# Altium PCB 10515.0462_全联供主板(2拼版)_V1.0.PcbDoc (part 1 of 18)
Units mm, origin at the board's own origin, x right, y up, seen from the top; angles counter-clockwise.
Board outline 282 x 198 mm, 2 copper layers (Top Layer, Bottom Layer); 716 components, 0 nets, 2364 pads, 1800 vias.
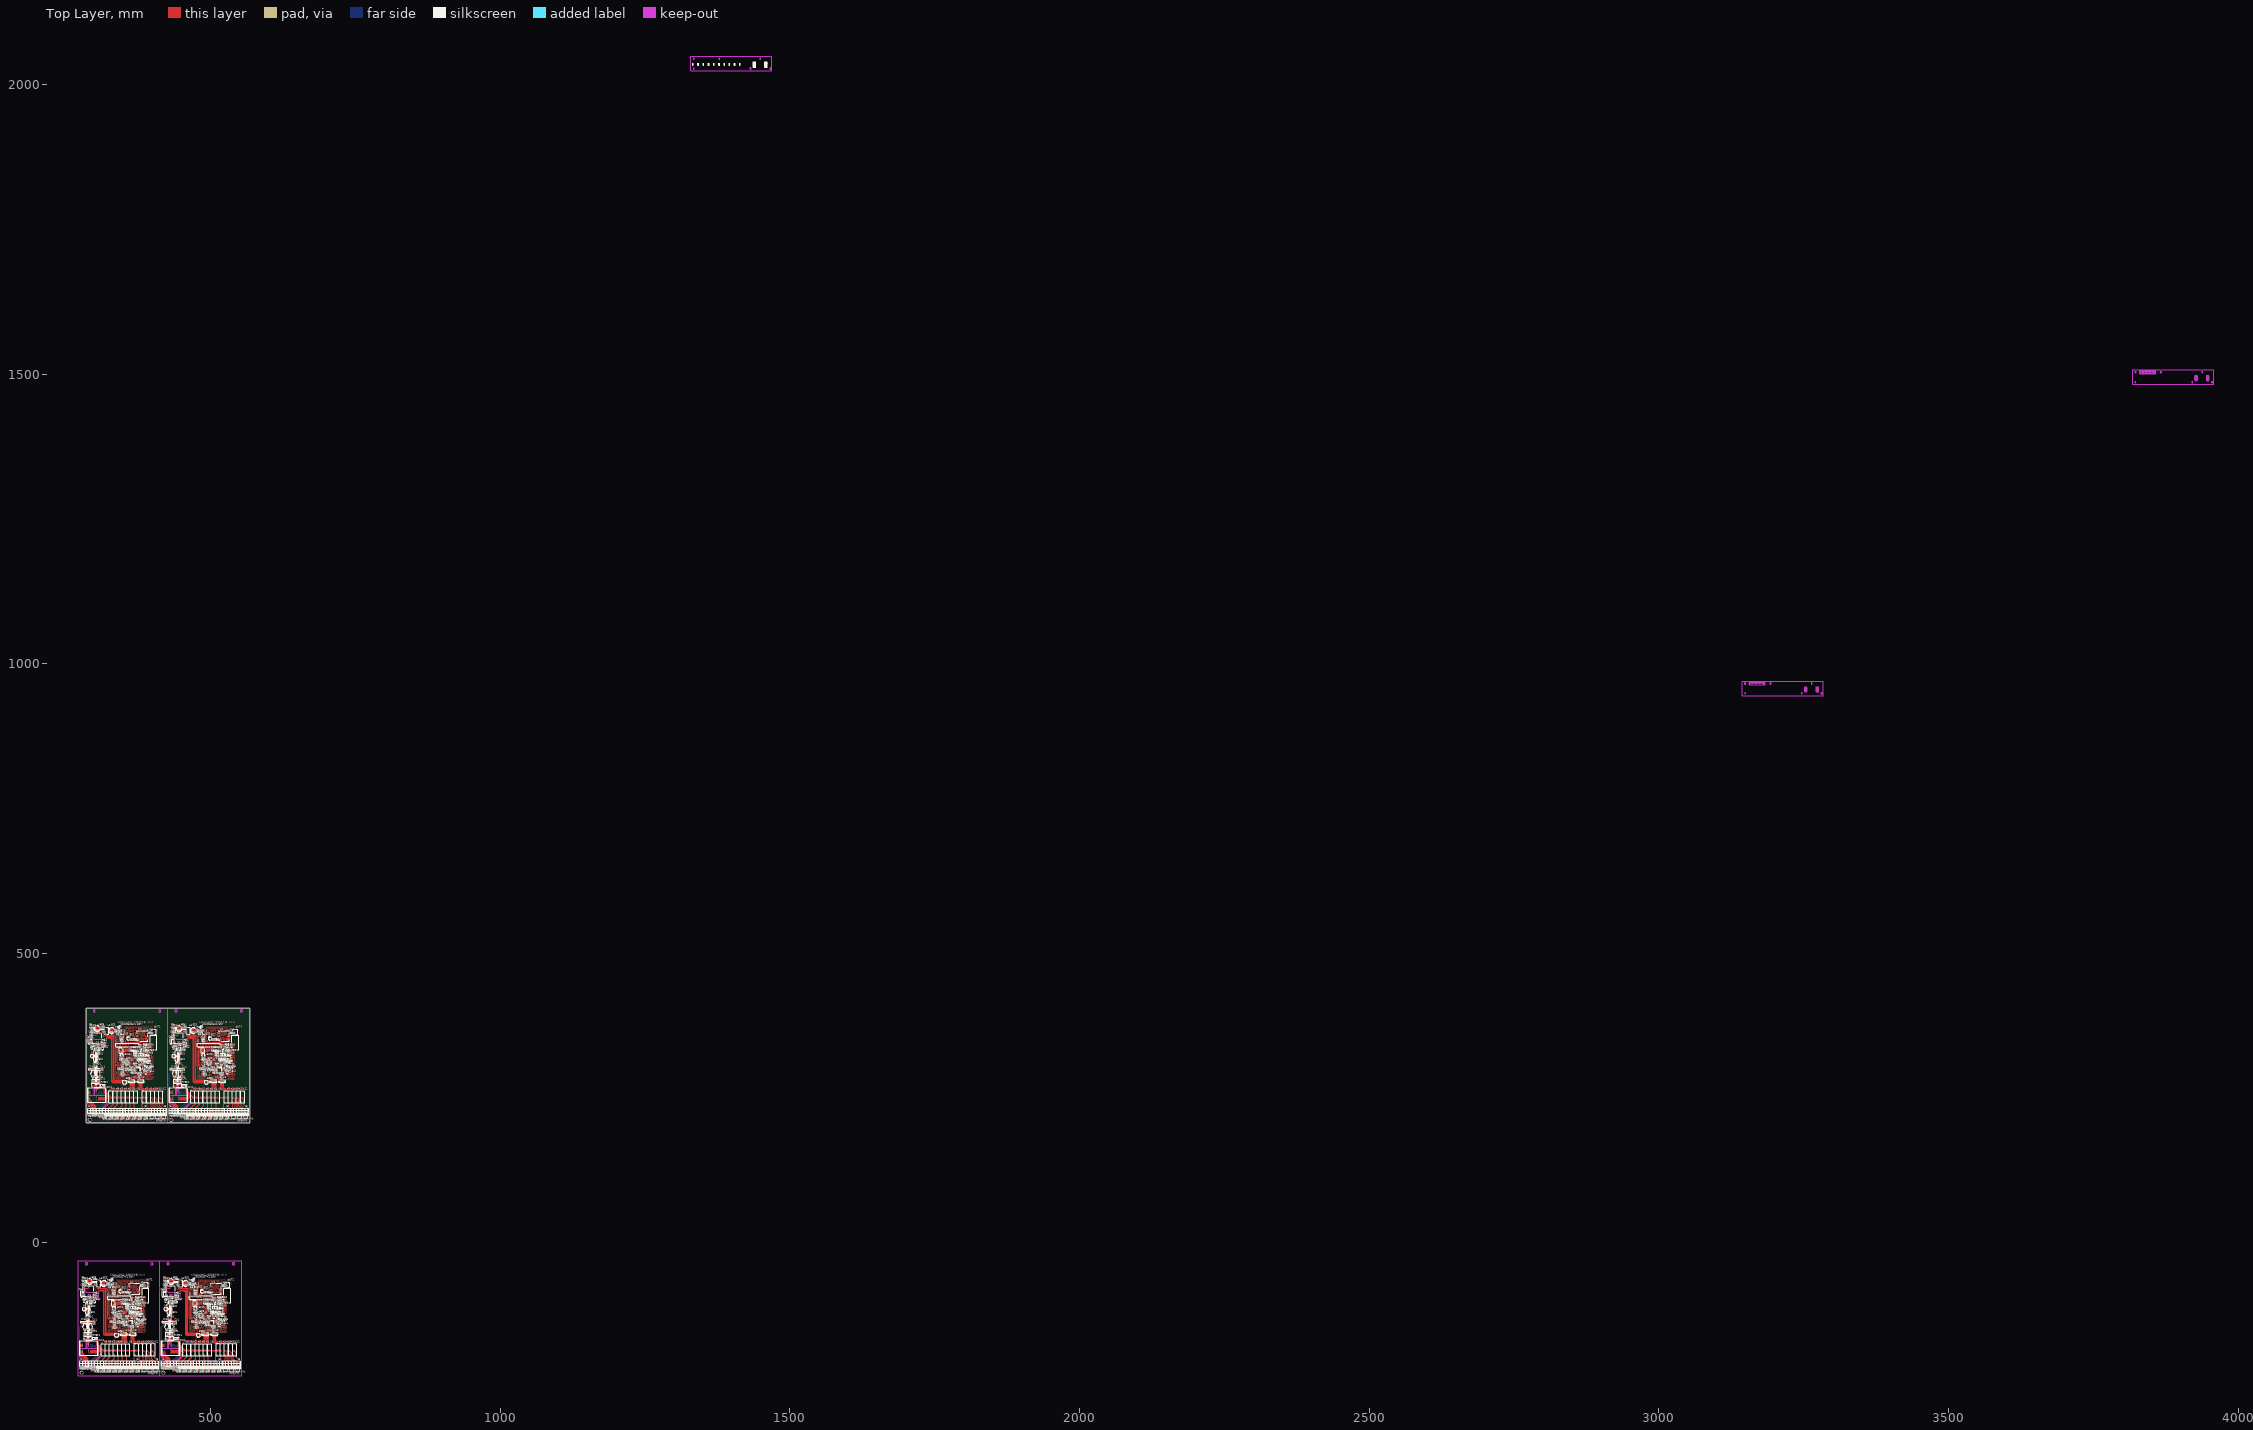
[diagram p0: Top Layer view]
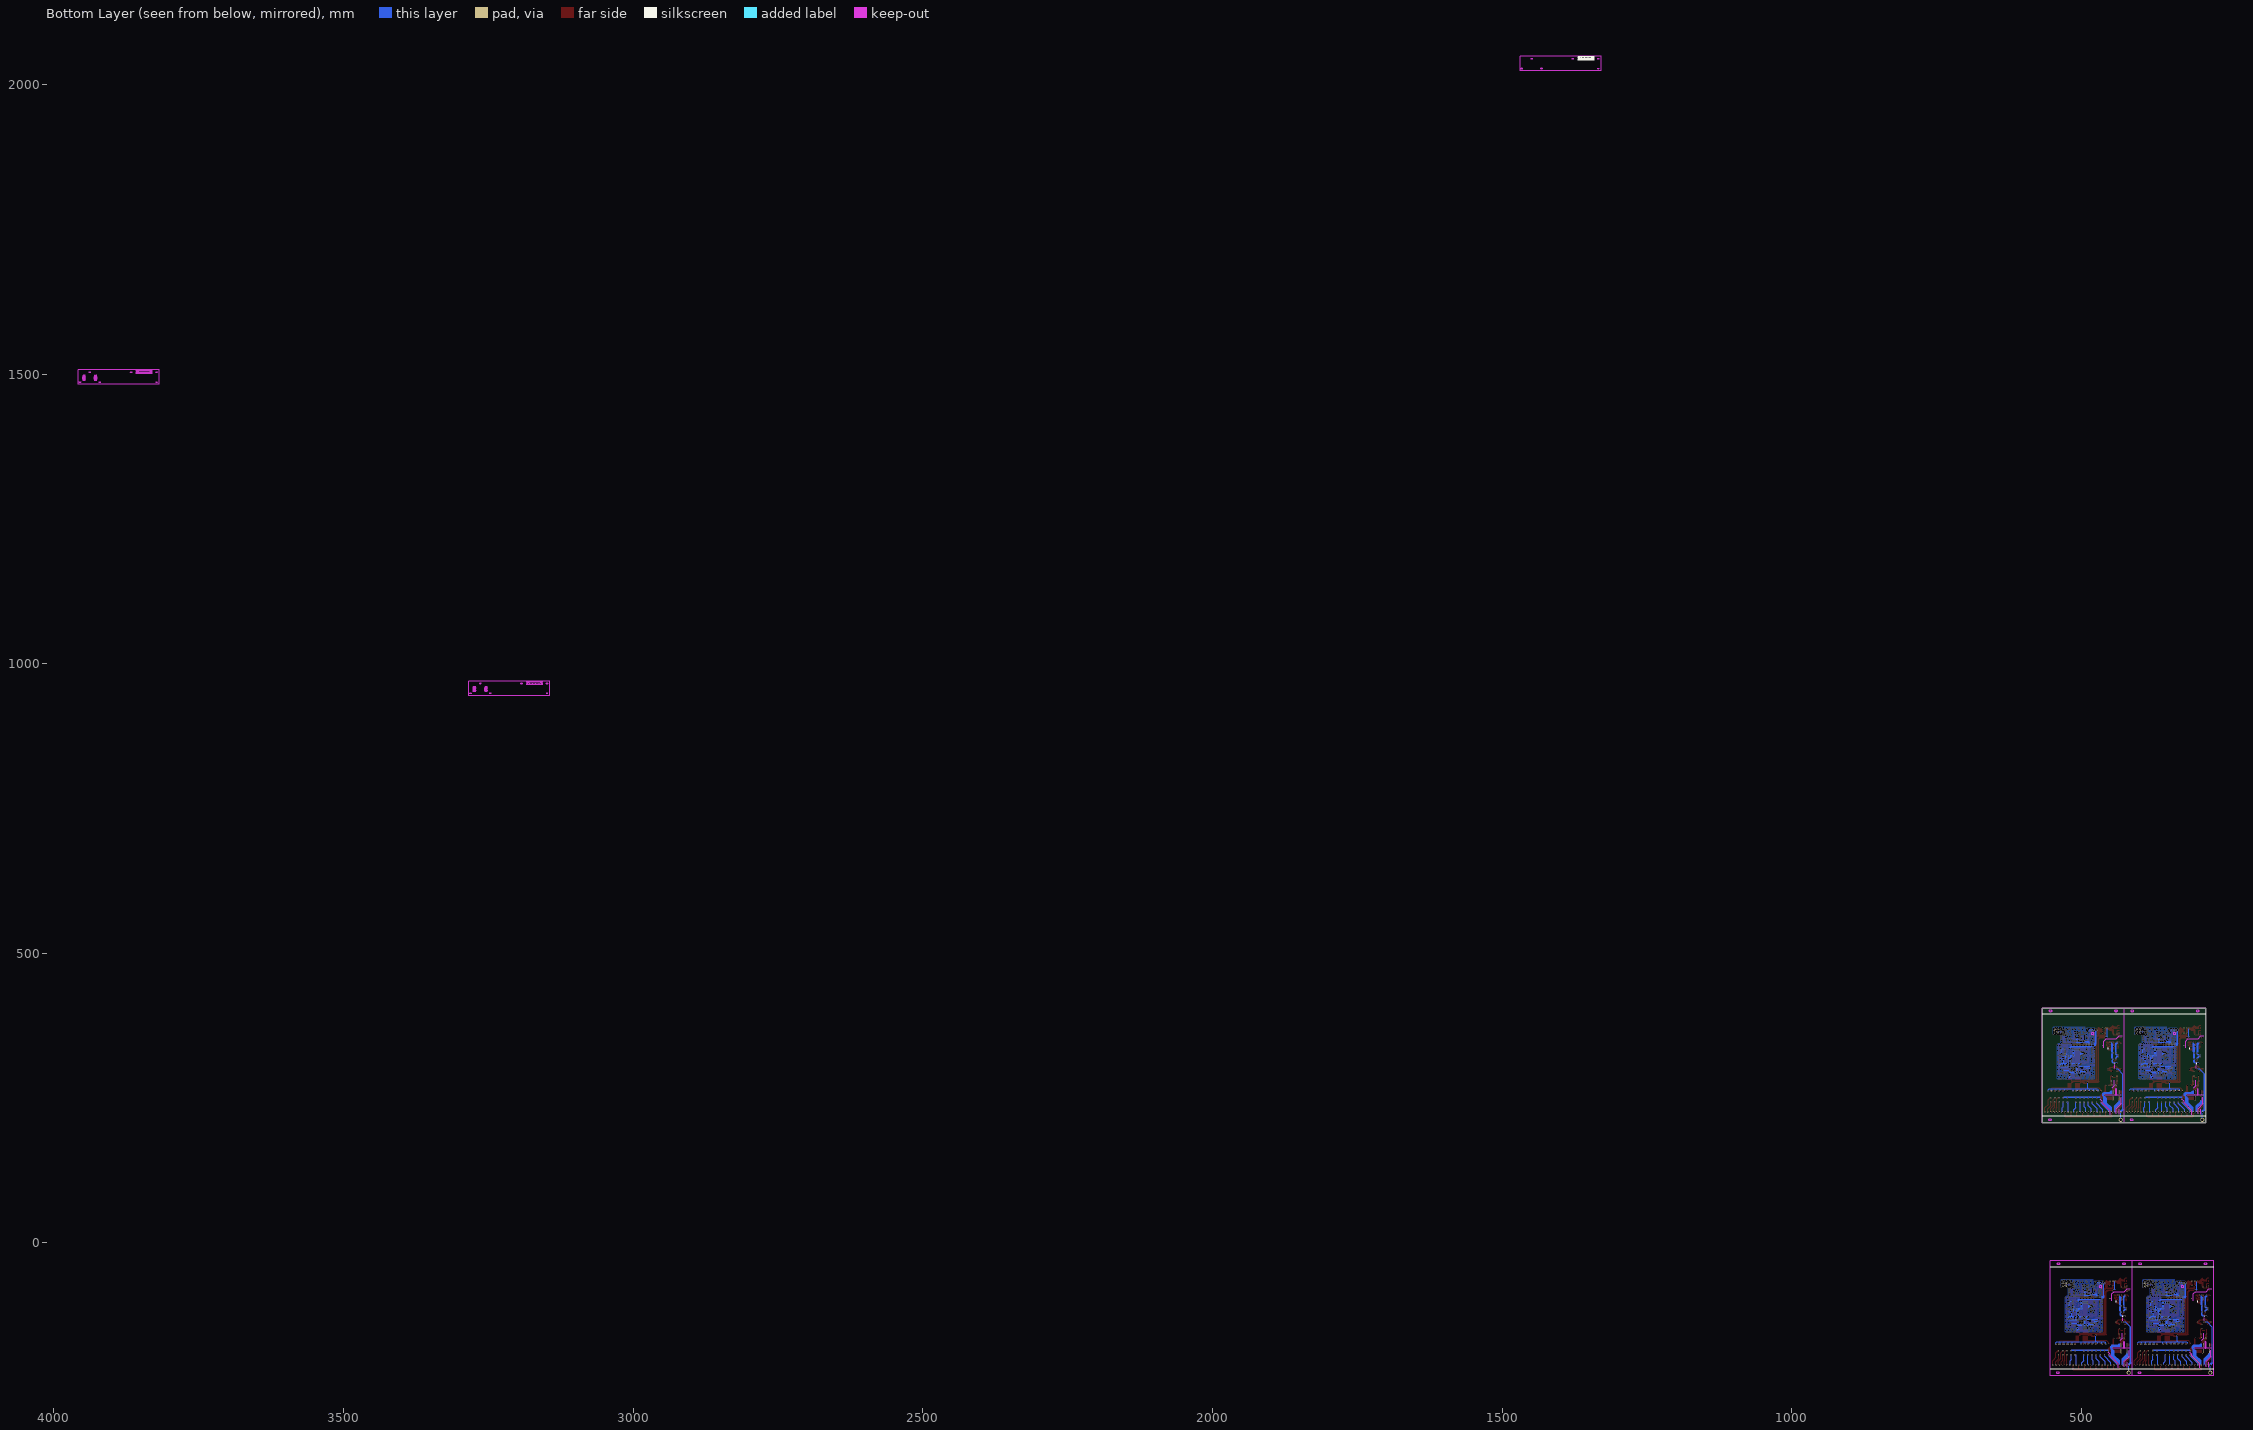
[diagram p1: Bottom Layer view, seen from below]

## Layer stack, top to bottom
Top Layer: signal copper 0.0356
Dielectric: dielectric 0.32, FR-4, Dk 4.8
Bottom Layer: signal copper 0.0356

## Board outline
285.008,405.708 567.008,405.708 567.008,207.708 285.008,207.708 285.008,405.708

## Design rules (kind name [scope] priority, off if disabled: settings)
Clearance [All] p1: gap=0.254
PolygonConnect [All] p1: connectstyle=Relief reliefconductorwidth=0.254 reliefentries=4 polygonreliefangle="90 Angle"
RoutingVias [All] p1: holewidth=0.711 width=1.27 viastyle="Through Hole" minholewidth=0.711 minwidth=1.27 maxholewidth=0.711 maxwidth=1.27
SilkscreenOverComponentPads [All] p1: minsilkscreentomaskgap=0.254
SolderMaskExpansion [All] p1: expansion=0.102
Width [All] p1: maxlimit=0.254 minlimit=0.254 preferedwidth=0.254
27 further rules are at their usual default settings.

## Components (designator, comment, footprint, x,y, rotation, side; value= is the part's Value field where it differs from the comment)
+3.3V "OTHER/TEST" TEST#1 486.46,315.284 r90 top (schematic designator VCC1)
+3.3V "OTHER/TEST" TEST#1 345.46,315.284 r90 top (schematic designator VCC1)
+3.3V "OTHER/TEST" TEST#1 472.831,-121.311 r90 top (schematic designator VCC1)
+3.3V "OTHER/TEST" TEST#1 331.831,-121.311 r90 top (schematic designator VCC1)
ANT1 "SMA座" SMA 542.201,364.654 r180 top
ANT1 "SMA座" SMA 401.201,364.654 r180 top
ANT1 "SMA座" SMA 528.573,-71.942 r180 top
ANT1 "SMA座" SMA 387.573,-71.942 r180 top
C1 "1nF/630V" CAP/SMT/1206C 434.678,372.042 r90 top
C1 "1nF/630V" CAP/SMT/1206C 293.678,372.042 r90 top
C1 "1nF/630V" CAP/SMT/1206C 421.049,-64.553 r90 top
C1 "1nF/630V" CAP/SMT/1206C 280.049,-64.553 r90 top
C2 "1nF/630V" CAP/SMT/1206C 437.98,339.657 r90 top
C2 "1nF/630V" CAP/SMT/1206C 296.98,339.657 r90 top
C2 "1nF/630V" CAP/SMT/1206C 424.351,-96.938 r90 top
C2 "1nF/630V" CAP/SMT/1206C 283.351,-96.938 r90 top
C3 "1uF/0603" CAP/SMT/0603C 451.662,370.021 r270 top
C3 "1uF/0603" CAP/SMT/0603C 310.662,370.021 r270 top
C3 "1uF/0603" CAP/SMT/0603C 438.033,-66.574 r270 top
C3 "1uF/0603" CAP/SMT/0603C 297.033,-66.574 r270 top
C4 "0.1uF/0603" CAP/SMT/0603C 453.44,370.021 r270 top
C4 "0.1uF/0603" CAP/SMT/0603C 312.44,370.021 r270 top
C4 "0.1uF/0603" CAP/SMT/0603C 439.811,-66.574 r270 top
C4 "0.1uF/0603" CAP/SMT/0603C 298.811,-66.574 r270 top
C5 "0.1uF/0603" CAP/SMT/0603C 480.096,364.013 r180 top
C5 "0.1uF/0603" CAP/SMT/0603C 339.096,364.013 r180 top
C5 "0.1uF/0603" CAP/SMT/0603C 466.467,-72.582 r180 top
C5 "0.1uF/0603" CAP/SMT/0603C 325.467,-72.582 r180 top
C6 "0.1uF/0603" CAP/SMT/0603C 476.413,367.292 r270 top
C6 "0.1uF/0603" CAP/SMT/0603C 335.413,367.292 r270 top
C6 "0.1uF/0603" CAP/SMT/0603C 462.784,-69.303 r270 top
C6 "0.1uF/0603" CAP/SMT/0603C 321.784,-69.303 r270 top
C7 "0.1uF/0603" CAP/SMT/0603C 488.492,347.796 r180 top
C7 "0.1uF/0603" CAP/SMT/0603C 347.492,347.796 r180 top
C7 "0.1uF/0603" CAP/SMT/0603C 474.863,-88.799 r180 top
C7 "0.1uF/0603" CAP/SMT/0603C 333.863,-88.799 r180 top
C8 "1nF/0603" CAP/SMT/0603C 484.21,365.864 r90 top
C8 "1nF/0603" CAP/SMT/0603C 343.21,365.864 r90 top
C8 "1nF/0603" CAP/SMT/0603C 470.581,-70.731 r90 top
C8 "1nF/0603" CAP/SMT/0603C 329.581,-70.731 r90 top
C9 "10uF/0603" CAP/SMT/0603C 494.749,298.509 r90 top
C9 "10uF/0603" CAP/SMT/0603C 353.749,298.509 r90 top
C9 "10uF/0603" CAP/SMT/0603C 481.12,-138.086 r90 top
C9 "10uF/0603" CAP/SMT/0603C 340.12,-138.086 r90 top
C10 "0.1uF/0603" CAP/SMT/0603C 481.922,300.153 r90 top
C10 "0.1uF/0603" CAP/SMT/0603C 340.922,300.153 r90 top
C10 "0.1uF/0603" CAP/SMT/0603C 468.293,-136.442 r90 top
C10 "0.1uF/0603" CAP/SMT/0603C 327.293,-136.442 r90 top
C11 "0.1uF/0603" CAP/SMT/0603C 511.757,322.159 r180 top
C11 "0.1uF/0603" CAP/SMT/0603C 370.757,322.159 r180 top
C11 "0.1uF/0603" CAP/SMT/0603C 498.129,-114.437 r180 top
C11 "0.1uF/0603" CAP/SMT/0603C 357.128,-114.437 r180 top
C12 "1uF/0603" CAP/SMT/0603C 504.24,352.114 r270 top
C12 "1uF/0603" CAP/SMT/0603C 363.24,352.114 r270 top
C12 "1uF/0603" CAP/SMT/0603C 490.611,-84.481 r270 top
C12 "1uF/0603" CAP/SMT/0603C 349.611,-84.481 r270 top
C13 "0.1uF/0603" CAP/SMT/0603C 511.86,350.59 r90 top
C13 "0.1uF/0603" CAP/SMT/0603C 370.86,350.59 r90 top
C13 "0.1uF/0603" CAP/SMT/0603C 498.231,-86.005 r90 top
C13 "0.1uF/0603" CAP/SMT/0603C 357.231,-86.005 r90 top
C14 "0.1uF/0603" CAP/SMT/0603C 510.463,350.59 r90 top
C14 "0.1uF/0603" CAP/SMT/0603C 369.463,350.59 r90 top
C14 "0.1uF/0603" CAP/SMT/0603C 496.834,-86.005 r90 top
C14 "0.1uF/0603" CAP/SMT/0603C 355.834,-86.005 r90 top
C15 "1uF/0603" CAP/SMT/0603C 509.066,350.59 r90 top
C15 "1uF/0603" CAP/SMT/0603C 368.066,350.59 r90 top
C15 "1uF/0603" CAP/SMT/0603C 495.437,-86.005 r90 top
C15 "1uF/0603" CAP/SMT/0603C 354.437,-86.005 r90 top
C16 "0.1uF/0603" CAP/SMT/0603C 502.97,350.56 r90 top
C16 "0.1uF/0603" CAP/SMT/0603C 361.97,350.56 r90 top
C16 "0.1uF/0603" CAP/SMT/0603C 489.341,-86.036 r90 top
C16 "0.1uF/0603" CAP/SMT/0603C 348.341,-86.036 r90 top
C17 "NC" CAP/SMT/0603C 534.327,361.733 r90 top
C17 "NC" CAP/SMT/0603C 393.327,361.733 r90 top
C17 "NC" CAP/SMT/0603C 520.699,-74.863 r90 top
C17 "NC" CAP/SMT/0603C 379.699,-74.863 r90 top
C18 "NC" CAP/SMT/0603C 536.105,361.606 r90 top
C18 "NC" CAP/SMT/0603C 395.105,361.606 r90 top
C18 "NC" CAP/SMT/0603C 522.477,-74.99 r90 top
C18 "NC" CAP/SMT/0603C 381.477,-74.99 r90 top
C19 "0.1uF/0603" CAP/SMT/0603C 519.006,290.508 r0 top
C19 "0.1uF/0603" CAP/SMT/0603C 378.006,290.508 r0 top
C19 "0.1uF/0603" CAP/SMT/0603C 505.377,-146.087 r0 top
C19 "0.1uF/0603" CAP/SMT/0603C 364.377,-146.087 r0 top
C20 "0.1uF/0603" CAP/SMT/0603C 519.895,307.78 r180 top
C20 "0.1uF/0603" CAP/SMT/0603C 378.895,307.78 r180 top
C20 "0.1uF/0603" CAP/SMT/0603C 506.266,-128.815 r180 top
C20 "0.1uF/0603" CAP/SMT/0603C 365.266,-128.815 r180 top
C21 "0.1uF/0603" CAP/SMT/0603C 524.086,301.684 r90 top
C21 "0.1uF/0603" CAP/SMT/0603C 383.086,301.684 r90 top
C21 "0.1uF/0603" CAP/SMT/0603C 510.457,-134.911 r90 top
C21 "0.1uF/0603" CAP/SMT/0603C 369.457,-134.911 r90 top
C22 "0.1uF/0603" CAP/SMT/0603C 506.306,295.08 r270 top
C22 "0.1uF/0603" CAP/SMT/0603C 365.306,295.08 r270 top
C22 "0.1uF/0603" CAP/SMT/0603C 492.677,-141.515 r270 top
C22 "0.1uF/0603" CAP/SMT/0603C 351.677,-141.515 r270 top
C23 "0.1uF/0603" CAP/SMT/0603C 488.17,295.03 r0 top
C23 "0.1uF/0603" CAP/SMT/0603C 347.17,295.03 r0 top
C23 "0.1uF/0603" CAP/SMT/0603C 474.541,-141.565 r0 top
C23 "0.1uF/0603" CAP/SMT/0603C 333.541,-141.565 r0 top
C24 "0.1uF/0603" CAP/SMT/0603C 528.905,302.897 r0 top
C24 "0.1uF/0603" CAP/SMT/0603C 387.905,302.897 r0 top
C24 "0.1uF/0603" CAP/SMT/0603C 515.276,-133.698 r0 top
C24 "0.1uF/0603" CAP/SMT/0603C 374.276,-133.698 r0 top
C25 "20pF/0603" CAP/SMT/0603C 529.777,293.375 r180 top
C25 "20pF/0603" CAP/SMT/0603C 388.777,293.375 r180 top
C25 "20pF/0603" CAP/SMT/0603C 516.148,-143.22 r180 top
C25 "20pF/0603" CAP/SMT/0603C 375.148,-143.22 r180 top
C26 "20pF/0603" CAP/SMT/0603C 528.474,299.532 r0 top
C26 "20pF/0603" CAP/SMT/0603C 387.474,299.532 r0 top
C26 "20pF/0603" CAP/SMT/0603C 514.845,-137.063 r0 top
C26 "20pF/0603" CAP/SMT/0603C 373.845,-137.063 r0 top
C27 "0.1uF/0603" CAP/SMT/0603C 511.386,306.891 r180 top
C27 "0.1uF/0603" CAP/SMT/0603C 370.386,306.891 r180 top
C27 "0.1uF/0603" CAP/SMT/0603C 497.757,-129.704 r180 top
C27 "0.1uF/0603" CAP/SMT/0603C 356.757,-129.704 r180 top
C28 "0.1uF/0603" CAP/SMT/0603C 502.72,334.704 r180 top
C28 "0.1uF/0603" CAP/SMT/0603C 361.72,334.704 r180 top
C28 "0.1uF/0603" CAP/SMT/0603C 489.091,-101.891 r180 top
C28 "0.1uF/0603" CAP/SMT/0603C 348.091,-101.891 r180 top
C29 "0.1uF/0603" CAP/SMT/0603C 492.556,312.236 r270 top
C29 "0.1uF/0603" CAP/SMT/0603C 351.556,312.236 r270 top
C29 "0.1uF/0603" CAP/SMT/0603C 478.927,-124.359 r270 top
C29 "0.1uF/0603" CAP/SMT/0603C 337.927,-124.359 r270 top
C30 "0.1uF/0603" CAP/SMT/0603C 506.235,334.704 r180 top
C30 "0.1uF/0603" CAP/SMT/0603C 365.235,334.704 r180 top
C30 "0.1uF/0603" CAP/SMT/0603C 492.607,-101.891 r180 top
C30 "0.1uF/0603" CAP/SMT/0603C 351.607,-101.891 r180 top
C31 "0.1uF/0603" CAP/SMT/0603C 488.492,313.252 r180 top
C31 "0.1uF/0603" CAP/SMT/0603C 347.492,313.252 r180 top
C31 "0.1uF/0603" CAP/SMT/0603C 474.863,-123.343 r180 top
C31 "0.1uF/0603" CAP/SMT/0603C 333.863,-123.343 r180 top
C32 "0.1uF/0603" CAP/SMT/0603C 509.705,334.704 r180 top
C32 "0.1uF/0603" CAP/SMT/0603C 368.705,334.704 r180 top
C32 "0.1uF/0603" CAP/SMT/0603C 496.076,-101.891 r180 top
C32 "0.1uF/0603" CAP/SMT/0603C 355.076,-101.891 r180 top
C34 "51pF" CAP/SMT/0603C 513.783,323.742 r0 top
C34 "51pF" CAP/SMT/0603C 372.783,323.742 r0 top
C34 "51pF" CAP/SMT/0603C 500.154,-112.853 r0 top
C34 "51pF" CAP/SMT/0603C 359.154,-112.853 r0 top
C35 "0.1uF/0603" CAP/SMT/0603C 499.067,279.586 r270 top
C35 "0.1uF/0603" CAP/SMT/0603C 358.067,279.586 r270 top
C35 "0.1uF/0603" CAP/SMT/0603C 485.438,-157.009 r270 top
C35 "0.1uF/0603" CAP/SMT/0603C 344.438,-157.009 r270 top
C36 "0.1uF/0603" CAP/SMT/0603C 514.561,279.586 r270 top
C36 "0.1uF/0603" CAP/SMT/0603C 373.561,279.586 r270 top
C36 "0.1uF/0603" CAP/SMT/0603C 500.932,-157.009 r270 top
C36 "0.1uF/0603" CAP/SMT/0603C 359.932,-157.009 r270 top
C37 "0.1uF/0603" CAP/SMT/0603C 529.132,324.564 r90 top
C37 "0.1uF/0603" CAP/SMT/0603C 388.132,324.564 r90 top
C37 "0.1uF/0603" CAP/SMT/0603C 515.503,-112.032 r90 top
C37 "0.1uF/0603" CAP/SMT/0603C 374.503,-112.032 r90 top
C40 "1uF/0603" CAP/SMT/0603C 500.557,312.236 r270 top
C40 "1uF/0603" CAP/SMT/0603C 359.557,312.236 r270 top
C40 "1uF/0603" CAP/SMT/0603C 486.928,-124.359 r270 top
C40 "1uF/0603" CAP/SMT/0603C 345.928,-124.359 r270 top
C42 "22uF/0805" CAP/SMT/0805C 489,349.828 r180 top
C42 "22uF/0805" CAP/SMT/0805C 348,349.828 r180 top
C42 "22uF/0805" CAP/SMT/0805C 475.371,-86.767 r180 top
C42 "22uF/0805" CAP/SMT/0805C 334.371,-86.767 r180 top
C43 "22uF/0805" CAP/SMT/0805C 489,352.368 r180 top
C43 "22uF/0805" CAP/SMT/0805C 348,352.368 r180 top
C43 "22uF/0805" CAP/SMT/0805C 475.371,-84.227 r180 top
C43 "22uF/0805" CAP/SMT/0805C 334.371,-84.227 r180 top
C44 "0.1uF/0603" CAP/SMT/0603C 488.492,346.272 r180 top
C44 "0.1uF/0603" CAP/SMT/0603C 347.492,346.272 r180 top
C44 "0.1uF/0603" CAP/SMT/0603C 474.863,-90.323 r180 top
C44 "0.1uF/0603" CAP/SMT/0603C 333.863,-90.323 r180 top
C45 "0.1uF/0603" CAP/SMT/0603C 511.352,308.299 r180 top
C45 "0.1uF/0603" CAP/SMT/0603C 370.352,308.299 r180 top
C45 "0.1uF/0603" CAP/SMT/0603C 497.723,-128.296 r180 top
C45 "0.1uF/0603" CAP/SMT/0603C 356.723,-128.296 r180 top
C46 "0.1uF/0603" CAP/SMT/0603C 488.492,317.316 r180 top
C46 "0.1uF/0603" CAP/SMT/0603C 347.492,317.316 r180 top
C46 "0.1uF/0603" CAP/SMT/0603C 474.863,-119.279 r180 top
C46 "0.1uF/0603" CAP/SMT/0603C 333.863,-119.279 r180 top
C48 "0.1uF/0603" CAP/SMT/0603C 488.145,305.621 r0 top
C48 "0.1uF/0603" CAP/SMT/0603C 347.145,305.621 r0 top
C48 "0.1uF/0603" CAP/SMT/0603C 474.516,-130.974 r0 top
C48 "0.1uF/0603" CAP/SMT/0603C 333.516,-130.974 r0 top
C49 "10uF/0603" CAP/SMT/0603C 499.321,298.509 r90 top
C49 "10uF/0603" CAP/SMT/0603C 358.321,298.509 r90 top
C49 "10uF/0603" CAP/SMT/0603C 485.692,-138.086 r90 top
C49 "10uF/0603" CAP/SMT/0603C 344.692,-138.086 r90 top
CX1 "NC" CAP/DIP/0.1uF/250V 438.2,279.724 r180 top
CX1 "NC" CAP/DIP/0.1uF/250V 297.2,279.724 r180 top
CX1 "NC" CAP/DIP/0.1uF/250V 424.571,-156.871 r180 top
CX1 "NC" CAP/DIP/0.1uF/250V 283.571,-156.871 r180 top
CY1 "222M/250V" CAP/DIP/102M/250V 431.249,344.61 r90 top
CY1 "222M/250V" CAP/DIP/102M/250V 290.249,344.61 r90 top
CY1 "222M/250V" CAP/DIP/102M/250V 417.62,-91.985 r90 top
CY1 "222M/250V" CAP/DIP/102M/250V 276.62,-91.985 r90 top
CY2 "222M/250V" CAP/DIP/102M/250V 434.678,352.611 r90 top
CY2 "222M/250V" CAP/DIP/102M/250V 293.678,352.611 r90 top
CY2 "222M/250V" CAP/DIP/102M/250V 421.049,-83.984 r90 top
CY2 "222M/250V" CAP/DIP/102M/250V 280.049,-83.984 r90 top
CY3 "NC" CAP/DIP/102M/250V 440.74,300.044 r180 top
CY3 "NC" CAP/DIP/102M/250V 299.74,300.044 r180 top
CY3 "NC" CAP/DIP/102M/250V 427.111,-136.551 r180 top
CY3 "NC" CAP/DIP/102M/250V 286.111,-136.551 r180 top
CY4 "NC" CAP/DIP/102M/250V 453.948,300.044 r180 top
CY4 "NC" CAP/DIP/102M/250V 312.948,300.044 r180 top
CY4 "NC" CAP/DIP/102M/250V 440.319,-136.551 r180 top
CY4 "NC" CAP/DIP/102M/250V 299.319,-136.551 r180 top
D1 "MB10S" D/SMT/MD6S-TR 442.298,307.653 r90 top
D1 "MB10S" D/SMT/MD6S-TR 301.298,307.653 r90 top
D1 "MB10S" D/SMT/MD6S-TR 428.669,-128.942 r90 top
D1 "MB10S" D/SMT/MD6S-TR 287.669,-128.942 r90 top
D2 "SS210" D/SMT/DO-214AC 438.234,366.073 r270 top
D2 "SS210" D/SMT/DO-214AC 297.234,366.073 r270 top
D2 "SS210" D/SMT/DO-214AC 424.605,-70.522 r270 top
D2 "SS210" D/SMT/DO-214AC 283.605,-70.522 r270 top
D3 "1N4007-SOD123" D/SMT/SOD123 440.647,338.514 r90 top
D3 "1N4007-SOD123" D/SMT/SOD123 299.647,338.514 r90 top
D3 "1N4007-SOD123" D/SMT/SOD123 427.018,-98.081 r90 top
D3 "1N4007-SOD123" D/SMT/SOD123 286.018,-98.081 r90 top
D4 "F7" D/SMT/DO-214AC 456.996,346.272 r90 top
D4 "F7" D/SMT/DO-214AC 315.996,346.272 r90 top
D4 "F7" D/SMT/DO-214AC 443.367,-90.323 r90 top
D4 "F7" D/SMT/DO-214AC 302.367,-90.323 r90 top
D5 "1N4148/SOD-123" D/SMT/SOD-123 534.112,302.897 r180 top
D5 "1N4148/SOD-123" D/SMT/SOD-123 393.112,302.897 r180 top
D5 "1N4148/SOD-123" D/SMT/SOD-123 520.483,-133.698 r180 top
D5 "1N4148/SOD-123" D/SMT/SOD-123 379.483,-133.698 r180 top
D6 "SMAJ13CA" D/SMT/SMBJ4.0A 513.892,333.191 r0 top
D6 "SMAJ13CA" D/SMT/SMBJ4.0A 372.892,333.191 r0 top
D6 "SMAJ13CA" D/SMT/SMBJ4.0A 500.263,-103.404 r0 top
D6 "SMAJ13CA" D/SMT/SMBJ4.0A 359.263,-103.404 r0 top
D9 "SMBJ6.5A/SOCAY" D/SMT/SMBJ4.0A 529.64,333.572 r90 top
D9 "SMBJ6.5A/SOCAY" D/SMT/SMBJ4.0A 388.64,333.572 r90 top
D9 "SMBJ6.5A/SOCAY" D/SMT/SMBJ4.0A 516.011,-103.023 r90 top
D9 "SMBJ6.5A/SOCAY" D/SMT/SMBJ4.0A 375.011,-103.023 r90 top
D10 "SMBJ6.5A/SOCAY" D/SMT/SMBJ4.0A 534.466,333.572 r90 top
D10 "SMBJ6.5A/SOCAY" D/SMT/SMBJ4.0A 393.466,333.572 r90 top
D10 "SMBJ6.5A/SOCAY" D/SMT/SMBJ4.0A 520.837,-103.023 r90 top
D10 "SMBJ6.5A/SOCAY" D/SMT/SMBJ4.0A 379.837,-103.023 r90 top
EC1 "8.2uF/400V" CAP/DIP/6.8UF/400V/10MM 442.806,317.686 r270 top
EC1 "8.2uF/400V" CAP/DIP/6.8UF/400V/10MM 301.806,317.686 r270 top
EC1 "8.2uF/400V" CAP/DIP/6.8UF/400V/10MM 429.177,-118.909 r270 top
EC1 "8.2uF/400V" CAP/DIP/6.8UF/400V/10MM 288.177,-118.909 r270 top
EC2 "8.2uF/400V" CAP/DIP/6.8UF/400V/10MM 442.806,327.973 r270 top
EC2 "8.2uF/400V" CAP/DIP/6.8UF/400V/10MM 301.806,327.973 r270 top
EC2 "8.2uF/400V" CAP/DIP/6.8UF/400V/10MM 429.177,-108.622 r270 top
EC2 "8.2uF/400V" CAP/DIP/6.8UF/400V/10MM 288.177,-108.622 r270 top
EC3 "330uF/50V" CAP/SMT/220UF/50V 450.519,375.228 r270 top
EC3 "330uF/50V" CAP/SMT/220UF/50V 309.519,375.228 r270 top
EC3 "330uF/50V" CAP/SMT/220UF/50V 436.89,-61.367 r270 top
EC3 "330uF/50V" CAP/SMT/220UF/50V 295.89,-61.367 r270 top
EC4 "10uF/50V" CAP/DIP/10uF/50V 453.855,336.609 r270 top
EC4 "10uF/50V" CAP/DIP/10uF/50V 312.855,336.609 r270 top
EC4 "10uF/50V" CAP/DIP/10uF/50V 440.226,-99.986 r270 top
EC4 "10uF/50V" CAP/DIP/10uF/50V 299.226,-99.986 r270 top
EC5 "220uF/50V" CAP/SMT/220UF/50V 475.284,371.672 r270 top
EC5 "220uF/50V" CAP/SMT/220UF/50V 334.284,371.672 r270 top
EC5 "220uF/50V" CAP/SMT/220UF/50V 461.655,-64.923 r270 top
EC5 "220uF/50V" CAP/SMT/220UF/50V 320.655,-64.923 r270 top
EC6 "220uF/16V" CAP/SMT/220UF/16V 487.476,357.448 r0 top
EC6 "220uF/16V" CAP/SMT/220UF/16V 346.476,357.448 r0 top
EC6 "220uF/16V" CAP/SMT/220UF/16V 473.847,-79.147 r0 top
EC6 "220uF/16V" CAP/SMT/220UF/16V 332.847,-79.147 r0 top
EC7 "330uF/6.3V" CAP/SMT/330UF/6.3V 498.652,349.828 r90 top
EC7 "330uF/6.3V" CAP/SMT/330UF/6.3V 357.652,349.828 r90 top
EC7 "330uF/6.3V" CAP/SMT/330UF/6.3V 485.023,-86.767 r90 top
EC7 "330uF/6.3V" CAP/SMT/330UF/6.3V 344.023,-86.767 r90 top
EC8 "100uF/50V" CAP/SMT/220UF/16V 492.556,277.438 r90 top
EC8 "100uF/50V" CAP/SMT/220UF/16V 351.556,277.438 r90 top
EC8 "100uF/50V" CAP/SMT/220UF/16V 478.927,-159.157 r90 top
EC8 "100uF/50V" CAP/SMT/220UF/16V 337.927,-159.157 r90 top
EC9 "TEC/47uF/10V" CAP/SMT/TAJC476M010RNJ 496.62,308.68 r90 top
EC9 "TEC/47uF/10V" CAP/SMT/TAJC476M010RNJ 355.62,308.68 r90 top
EC9 "TEC/47uF/10V" CAP/SMT/TAJC476M010RNJ 482.991,-127.915 r90 top
EC9 "TEC/47uF/10V" CAP/SMT/TAJC476M010RNJ 341.991,-127.915 r90 top
EC11 "100uF/25V" CAP/SMT/100UF/25V 484.428,323.92 r0 top
EC11 "100uF/25V" CAP/SMT/100UF/25V 343.428,323.92 r0 top
EC11 "100uF/25V" CAP/SMT/100UF/25V 470.799,-112.675 r0 top
EC11 "100uF/25V" CAP/SMT/100UF/25V 329.799,-112.675 r0 top
GND1 "OTHER/TEST" TEST#1 490.524,312.262 r270 top
GND1 "OTHER/TEST" TEST#1 349.524,312.262 r270 top
GND1 "OTHER/TEST" TEST#1 476.895,-124.334 r270 top
GND1 "OTHER/TEST" TEST#1 335.895,-124.334 r270 top
J1 "WJ103-5.0" CON/DIP/1×3PIN/5.0MM/WJ103-3P 436.71,225.611 r180 top
J1 "WJ103-5.0" CON/DIP/1×3PIN/5.0MM/WJ103-3P 295.71,225.611 r180 top
J1 "WJ103-5.0" CON/DIP/1×3PIN/5.0MM/WJ103-3P 423.081,-210.984 r180 top
J1 "WJ103-5.0" CON/DIP/1×3PIN/5.0MM/WJ103-3P 282.081,-210.984 r180 top
J2 "CON/DIP/2X15PIN" CON/DIP/2X15PIN/2.54MM 479.21,340.8 r90 top
J2 "CON/DIP/2X15PIN" CON/DIP/2X15PIN/2.54MM 338.21,340.8 r90 top
J2 "CON/DIP/2X15PIN" CON/DIP/2X15PIN/2.54MM 465.581,-95.795 r90 top
J2 "CON/DIP/2X15PIN" CON/DIP/2X15PIN/2.54MM 324.581,-95.795 r90 top
J3 "1X5PIN_2MM" CON/DIP/1×5PIN/2.0MM 536.144,305.437 r180 top
J3 "1X5PIN_2MM" CON/DIP/1×5PIN/2.0MM 395.144,305.437 r180 top
J3 "1X5PIN_2MM" CON/DIP/1×5PIN/2.0MM 522.515,-131.158 r180 top
J3 "1X5PIN_2MM" CON/DIP/1×5PIN/2.0MM 381.515,-131.158 r180 top